# KiCad board artix-dc-scm.kicad_pcb (continued)
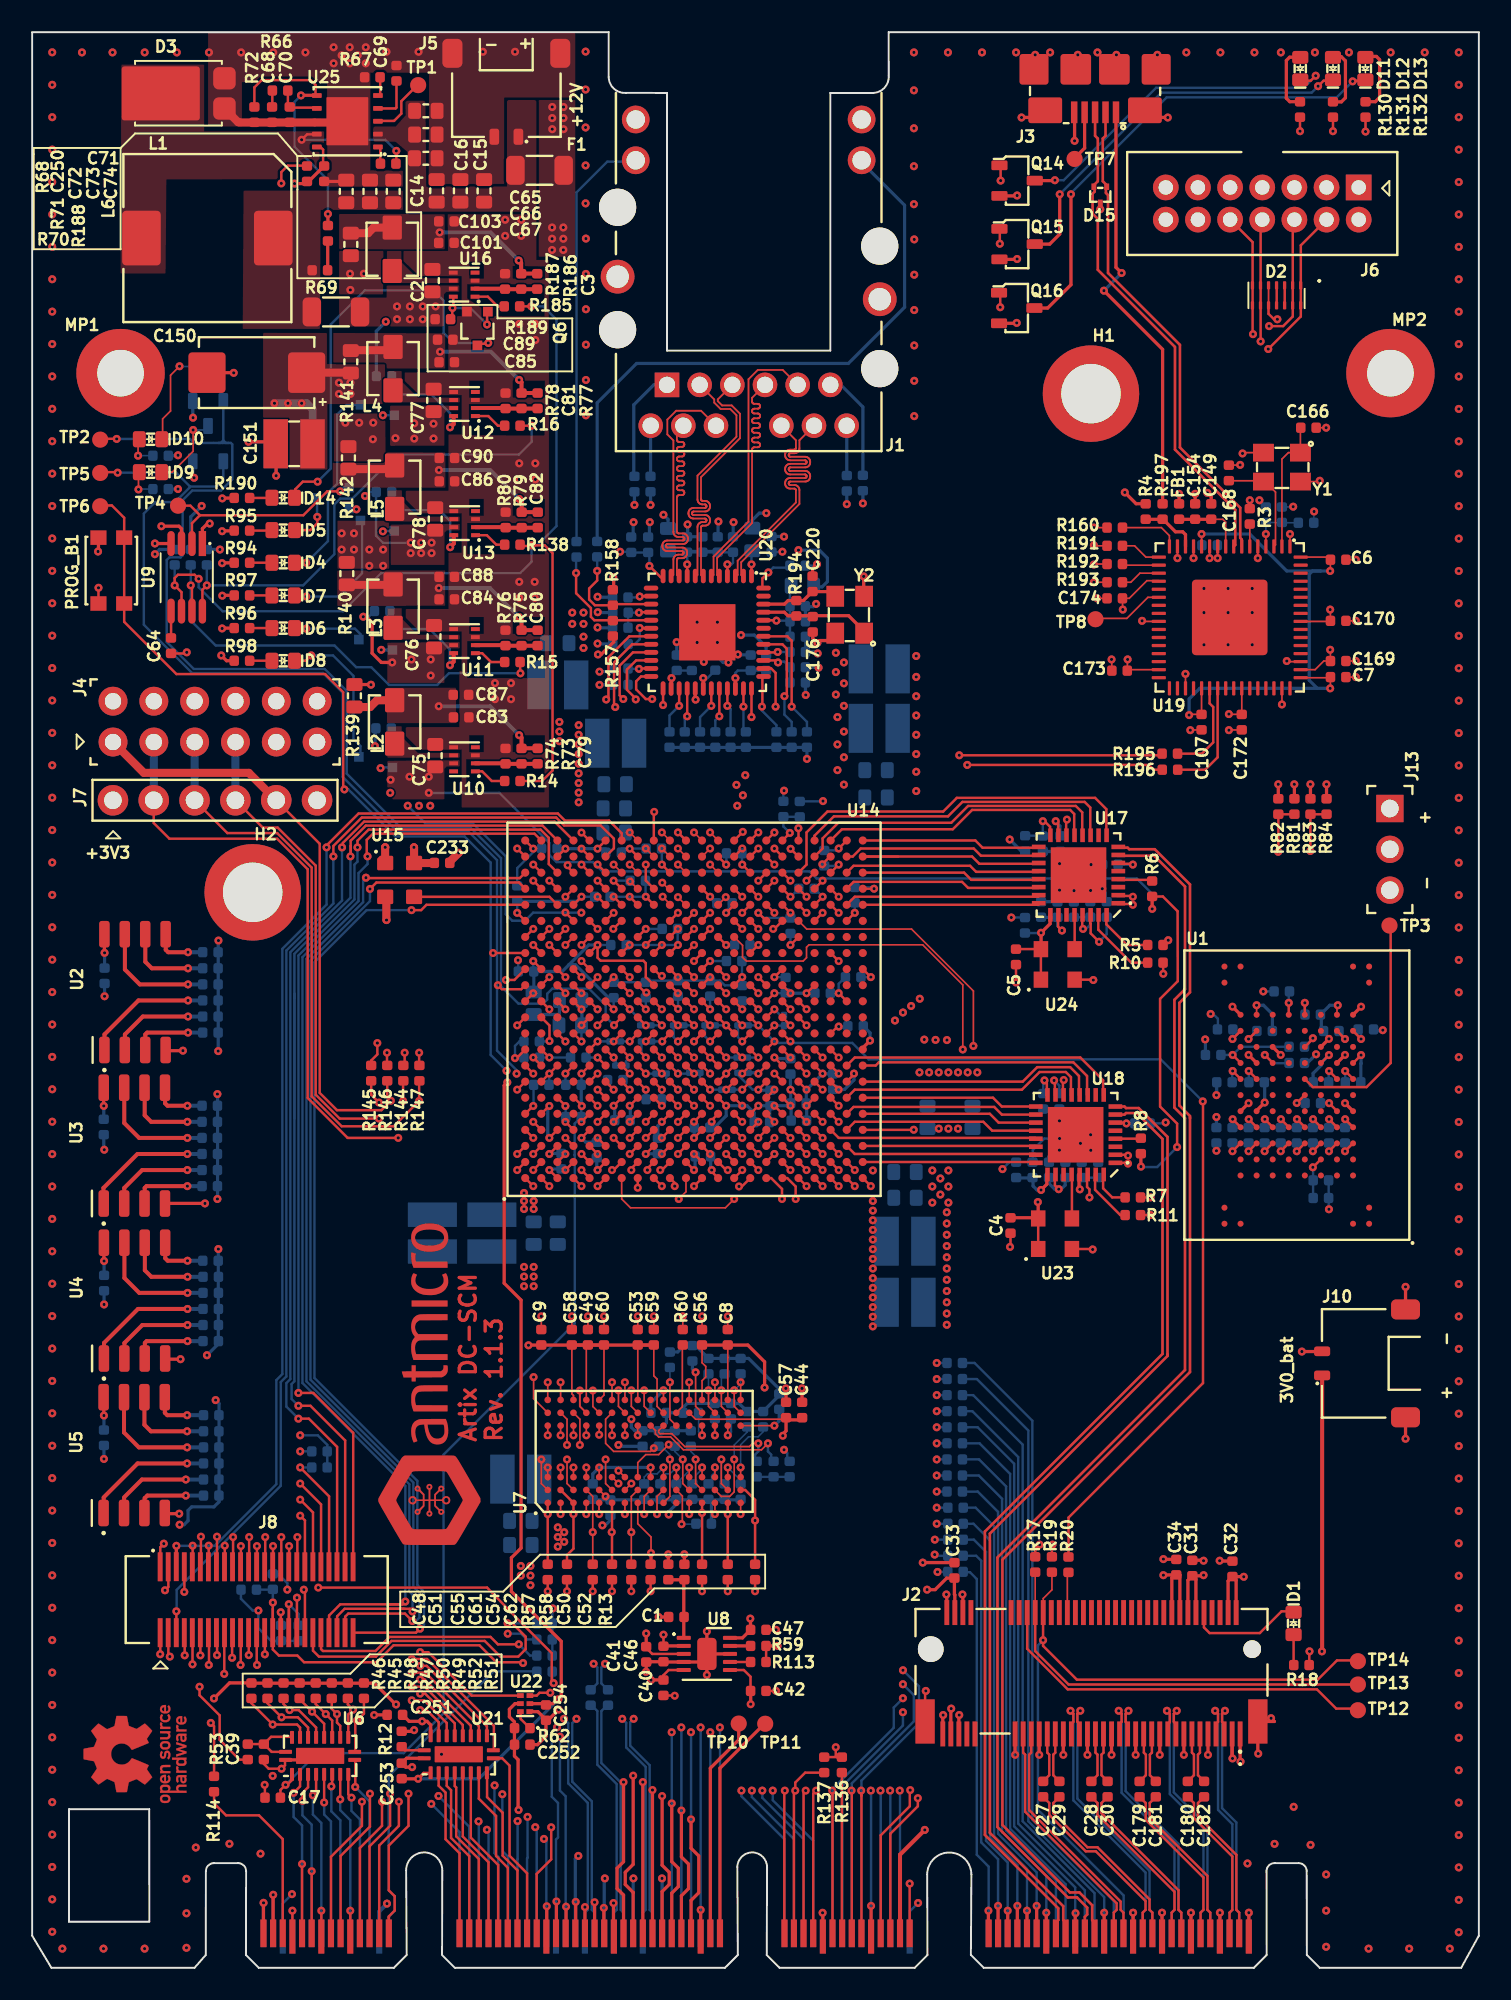
[diagram p0: board, top side]
## Placement (name value [footprint] x y rotation side) (continued)
J6  -  [PinHeader_2x7_P2mm_Drill0.9mm_878311420]  82.53 110.75 180 top
J7  -  [PinHeader_1x6_P2.54mm_Drill1.1mm]  5.03 72.63 0 top
J8  Plug_Molex_SlimStack_2x25_529910508  [Conn_Plug_Molex_SlimStack_2x25_529910508]  13.97 22.91 0 top
J9  -  [SFF-TA-1002-4C+]  44.79 1.95 0 top
J10  Molex_Pico-Lock_1x2_504050-0291  [Conn_Molex_Pico-Lock_1x2_504050-0291]  83.1 37.6 90 top
J13  -  [PinHeader_1x3_P2.54mm_Drill1.1mm]  84.47 72.11 270 top
L1  L_7u2_7.9A_WE-PDF-1064  [L_WE-PDF-1064]  10.9 107.6 0 top
L2  L_470n_6.7A_Vishay-IHLP-1212AE-11  [L_Vishay-IHLP-1212AE]  22.55 77.5 90 top
L3  L_470n_6.7A_Vishay-IHLP-1212AE-11  [L_Vishay-IHLP-1212AE]  22.45 84.7 90 top
L4  L_470n_6.7A_Vishay-IHLP-1212AE-11  [L_Vishay-IHLP-1212AE]  22.45 99.48 90 top
L5  L_470n_6.7A_Vishay-IHLP-1212AE-11  [L_Vishay-IHLP-1212AE]  22.55 92.1 90 top
L6  L_470n_6.7A_Vishay-IHLP-1212AE-11  [L_Vishay-IHLP-1212AE]  22.4 106.9 90 top
MP1  -  [MP_Pad5.5mm_Drill2.9mm]  5.5 99.2 0 top
MP2  -  [MP_Pad5.5mm_Drill2.9mm]  84.5 99.2 0 top
PROG_B1  -  [SW_KMR211NGLFS_SMD]  4.93 86.92 270 top
Q1  BSS138PW  [SC70-3]  21.48 97.23 180 bottom
Q2  BSS138PW  [SC70-3]  18.68 91.43 180 bottom
Q3  BSS138PW  [SC70-3]  21.37 82.63 180 bottom
Q4  BSS138PW  [SC70-3]  21.48 90.03 180 bottom
Q5  BSS138PW  [SC70-3]  21.37 75.33 180 bottom
Q6  BSS138PW  [SC70-3]  27.7 101.97 270 top
Q12  2N7002_SOT-23-3  [SOT-23-3]  10.94 94.81 90 bottom
Q13  2N7002_SOT-23-3  [SOT-23-3]  10.94 98.56 90 bottom
Q14  2N7002_SOT-23-3  [SOT-23-3]  61.27 111.17 0 top
Q15  2N7002_SOT-23-3  [SOT-23-3]  61.27 107.22 0 top
Q16  2N7002_SOT-23-3  [SOT-23-3]  61.25 103.25 0 top
R1  R_1k_0402  [R_0402_1005Metric]  46.73 72.09 270 bottom
R2  R_1k_0402  [R_0402_1005Metric]  47.76 72.08 90 bottom
R3  R_12k1_0402  [R_0402_1005Metric]  75.75 90.29 270 top
R4  R_10k_0402  [R_0402_1005Metric]  69.28 90.59 90 top
R5  R_12k_0402  [R_0402_1005Metric]  69.88 63.63 180 top
R6  R_1k_0402  [R_0402_1005Metric]  69.68 67.13 90 top
R7  R_12k_0402  [R_0402_1005Metric]  68.47 47.93 180 top
R8  R_1k_0402  [R_0402_1005Metric]  68.97 51.12 90 top
R9  R_22R_0402  [R_0402_1005Metric]  77.74 60.74 180 bottom
R10  R_0R_0402  [R_0402_1005Metric]  69.88 62.53 180 top
R11  R_0R_0402  [R_0402_1005Metric]  68.47 46.83 0 top
R12  R_200k_0402  [R_0402_1005Metric]  22.99 14.24 90 top
R13  R_4k7_0402  [R_0402_1005Metric]  44.97 24.62 270 top
R14  R_0R_0402  [R_0402_1005Metric]  29.87 73.83 0 top
R15  R_0R_0402  [R_0402_1005Metric]  29.87 81.23 0 top
R16  R_0R_0402  [R_0402_1005Metric]  29.87 95.93 0 top
R17  R_10k_0402  [R_0402_1005Metric]  62.4 25.09 270 top
R18  R_330R_0402  [R_0402_1005Metric]  78.97 18.84 0 top
R19  R_10k_0402  [R_0402_1005Metric]  63.44 25.09 270 top
R20  R_10k_0402  [R_0402_1005Metric]  64.47 25.08 270 top
R21  R_4k7_0402  [R_0402_1005Metric]  11.09 60.18 180 bottom
R22  R_4k7_0402  [R_0402_1005Metric]  11.05 50.62 180 bottom
R23  R_4k7_0402  [R_0402_1005Metric]  11.11 40.99 180 bottom
R24  R_4k7_0402  [R_0402_1005Metric]  11.14 31.38 180 bottom
R25  R_1k_0402  [R_0402_1005Metric]  11.09 62.18 180 bottom
R26  R_1k_0402  [R_0402_1005Metric]  11.05 52.63 180 bottom
R27  R_1k_0402  [R_0402_1005Metric]  11.11 42.99 180 bottom
R28  R_1k_0402  [R_0402_1005Metric]  11.14 33.38 180 bottom
R29  R_10k_0402  [R_0402_1005Metric]  11.09 63.18 0 bottom
R30  R_10k_0402  [R_0402_1005Metric]  11.05 53.63 0 bottom
R31  R_10k_0402  [R_0402_1005Metric]  11.09 43.99 0 bottom
R32  R_10k_0402  [R_0402_1005Metric]  11.14 34.38 0 bottom
R33  R_10k_0402  [R_0402_1005Metric]  11.09 58.18 0 bottom
R34  R_10k_0402  [R_0402_1005Metric]  11.05 48.62 0 bottom
R35  R_10k_0402  [R_0402_1005Metric]  11.11 38.99 0 bottom
R36  R_10k_0402  [R_0402_1005Metric]  11.14 29.38 0 bottom
R37  R_10k_0402  [R_0402_1005Metric]  11.09 61.18 0 bottom
R38  R_10k_0402  [R_0402_1005Metric]  11.05 51.63 0 bottom
R39  R_10k_0402  [R_0402_1005Metric]  11.11 41.99 0 bottom
R40  R_10k_0402  [R_0402_1005Metric]  11.14 32.38 0 bottom
R41  R_10k_0402  [R_0402_1005Metric]  11.09 59.18 0 bottom
R42  R_10k_0402  [R_0402_1005Metric]  11.05 49.62 0 bottom
R43  R_10k_0402  [R_0402_1005Metric]  11.11 39.99 0 bottom
R44  R_10k_0402  [R_0402_1005Metric]  11.14 30.38 0 bottom
R45  R_357k_0402  [R_0402_1005Metric]  14.64 17.24 270 top
R46  R_357k_0402  [R_0402_1005Metric]  13.64 17.24 270 top
R47  R_357k_0402  [R_0402_1005Metric]  16.64 17.24 270 top
R48  R_357k_0402  [R_0402_1005Metric]  15.64 17.24 270 top
R49  R_357k_0402  [R_0402_1005Metric]  18.64 17.24 270 top
R50  R_357k_0402  [R_0402_1005Metric]  17.64 17.24 270 top
R51  R_357k_0402  [R_0402_1005Metric]  20.64 17.24 270 top
R52  R_357k_0402  [R_0402_1005Metric]  19.64 17.24 270 top
R53  R_200k_0402  [R_0402_1005Metric]  13.41 13.44 90 top
R54  R_51R_0402  [R_0402_1005Metric]  34.87 29.62 270 bottom  (not fitted)
R55  R_51R_0402  [R_0402_1005Metric]  38.07 29.62 270 bottom  (not fitted)
R56  R_51R_0402  [R_0402_1005Metric]  38.98 32.93 90 bottom  (not fitted)
R57  R_10k_0402  [R_0402_1005Metric]  39.57 24.62 270 top
R58  R_10k_0402  [R_0402_1005Metric]  40.57 24.62 270 top
R59  R_10k_0402  [R_0402_1005Metric]  45.18 20.03 180 top
R60  R_240R_0402  [R_0402_1005Metric]  40.47 39.23 90 top
R61  R_10k_0402  [R_0402_1005Metric]  21.89 99 0 bottom
R62  R_200k_0402  [R_0402_1005Metric]  30.49 14.91 180 top
R63  R_100k_0402  [R_0402_1005Metric]  10.87 87.74 270 bottom
R64  R_100k_0402  [R_0402_1005Metric]  9.87 87.74 270 bottom
R65  R_100k_0402  [R_0402_1005Metric]  8.87 87.74 270 bottom
R66  R_16k9_0402  [R_0402_1005Metric]  15.43 116.78 180 top
R67  R_243k_0402  [R_0402_1005Metric]  21.16 117.6 0 top
R68  R_100k_0402  [R_0402_1005Metric]  17.1 111.6 270 top
R69  R_0R_1206  [R_1206_3216Metric]  18.9 103 180 top
R70  R_49R9_0402  [R_0402_1005Metric]  17.9 105.6 0 top
R71  R_53k6_0402  [R_0402_1005Metric]  18.4 107.9 90 top
R72  R_10k2_0402  [R_0402_1005Metric]  13.82 115.28 270 top
R73  R_453k_0402  [R_0402_1005Metric]  30.45 75.38 270 top
R74  R_100k_0402  [R_0402_1005Metric]  29.45 75.37 90 top
R75  R_200k_0402  [R_0402_1005Metric]  30.45 82.73 90 top
R76  R_100k_0402  [R_0402_1005Metric]  29.45 82.73 90 top
R77  R_66k5_0402  [R_0402_1005Metric]  30.45 97.48 270 top
R78  R_100k_0402  [R_0402_1005Metric]  29.45 97.47 90 top
R79  R_124k_0402  [R_0402_1005Metric]  30.46 90.07 270 top
R80  R_100k_0402  [R_0402_1005Metric]  29.46 90.07 90 top
R81  R_0R_0402  [R_0402_1005Metric]  78.53 72.24 270 top
R82  R_0R_0402  [R_0402_1005Metric]  77.53 72.24 270 top  (not fitted)
R83  R_0R_0402  [R_0402_1005Metric]  79.53 72.24 270 top  (not fitted)
R84  R_0R_0402  [R_0402_1005Metric]  80.53 72.24 270 top
R85  R_4k7_0402  [R_0402_1005Metric]  47.18 56.08 90 bottom
R86  R_100R_0402  [R_0402_1005Metric]  13.48 23.53 0 bottom
R87  R_100R_0402  [R_0402_1005Metric]  14.98 24.03 90 bottom
R88  R_200R_0402  [R_0402_1005Metric]  31.87 20.43 180 bottom
R89  R_4k7_0402  [R_0402_1005Metric]  31.87 21.43 180 bottom
R90  R_4k7_0402  [R_0402_1005Metric]  31.87 19.43 180 bottom
R91  R_10k_0402  [R_0402_1005Metric]  21.77 84.4 0 bottom
R92  R_10k_0402  [R_0402_1005Metric]  21.89 91.8 0 bottom
R93  R_10k_0402  [R_0402_1005Metric]  21.86 77.1 0 bottom
R94  R_1k_0402  [R_0402_1005Metric]  13.05 87.4 180 top
R95  R_1k_0402  [R_0402_1005Metric]  13.05 89.4 180 top
R96  R_1k_0402  [R_0402_1005Metric]  13.05 83.34 180 top
R97  R_1k_0402  [R_0402_1005Metric]  13.05 85.37 180 top
R98  R_1k_0402  [R_0402_1005Metric]  13.05 81.31 180 top
R99  R_51R_0402  [R_0402_1005Metric]  46.12 31.03 90 bottom  (not fitted)
R100  R_51R_0402  [R_0402_1005Metric]  45.07 31.03 90 bottom  (not fitted)
R101  R_0R_0402  [R_0402_1005Metric]  57.44 24.64 0 bottom
R102  R_0R_0402  [R_0402_1005Metric]  57.45 27.62 0 bottom
R103  R_0R_0402  [R_0402_1005Metric]  57.45 28.62 0 bottom
R104  R_0R_0402  [R_0402_1005Metric]  57.4 29.62 0 bottom
R105  R_0R_0402  [R_0402_1005Metric]  57.4 30.62 0 bottom
R106  R_0R_0402  [R_0402_1005Metric]  57.4 31.62 0 bottom
R107  R_0R_0402  [R_0402_1005Metric]  57.4 32.62 0 bottom
R108  R_0R_0402  [R_0402_1005Metric]  57.4 33.62 180 bottom
R109  R_0R_0402  [R_0402_1005Metric]  57.4 34.62 0 bottom
R110  R_0R_0402  [R_0402_1005Metric]  57.4 35.62 180 bottom
R111  R_0R_0402  [R_0402_1005Metric]  57.4 36.62 180 bottom
R112  R_0R_0402  [R_0402_1005Metric]  57.4 37.62 0 bottom
R113  R_10k_0402  [R_0402_1005Metric]  45.18 19.03 0 top
R114  R_0R_0402  [R_0402_1005Metric]  11.32 11.44 270 top
R115  R_0R_0402  [R_0402_1005Metric]  31.87 18.43 180 bottom
R116  R_0R_0402  [R_0402_1005Metric]  57.44 26.64 0 bottom
R117  R_47k_0402  [R_0402_1005Metric]  78.67 57.3 0 bottom
R118  R_47k_0402  [R_0402_1005Metric]  79.66 59.3 180 bottom
R119  R_47k_0402  [R_0402_1005Metric]  82.17 55.09 180 bottom
R120  R_47k_0402  [R_0402_1005Metric]  82.97 58.37 180 bottom
R121  R_47k_0402  [R_0402_1005Metric]  80.17 55.09 0 bottom
R122  R_47k_0402  [R_0402_1005Metric]  80.82 58.27 0 bottom
R123  R_47k_0402  [R_0402_1005Metric]  76.67 58.28 180 bottom
R124  R_47k_0402  [R_0402_1005Metric]  76.17 55.09 180 bottom
R125  R_47k_0402  [R_0402_1005Metric]  74.22 58.37 0 bottom
R126  R_47k_0402  [R_0402_1005Metric]  74.17 55.09 0 bottom
R127  R_10k2_0402  [R_0402_1005Metric]  42.5 76.4 270 bottom
R128  R_1k_0402  [R_0402_1005Metric]  7.99 91.99 0 bottom
R129  R_1k_0402  [R_0402_1005Metric]  7.99 94.06 0 bottom
R130  R_1k_0402  [R_0402_1005Metric]  78.88 115.6 270 top
R131  R_1k_0402  [R_0402_1005Metric]  80.93 115.6 270 top
R132  R_1k_0402  [R_0402_1005Metric]  82.95 115.6 270 top
R133  R_2k2_0402  [R_0402_1005Metric]  17.87 32.12 0 bottom
R134  R_4k7_0402  [R_0402_1005Metric]  16.57 20.83 90 bottom
R135  R_4k7_0402  [R_0402_1005Metric]  15.48 20.83 90 bottom
R136  R_0R_0402  [R_0402_1005Metric]  50.37 12.62 90 top
R137  R_0R_0402  [R_0402_1005Metric]  49.27 12.62 270 top
R138  R_0R_0402  [R_0402_1005Metric]  29.87 88.53 0 top
R139  R_0R_0603  [R_0603_1608Metric]  20.05 79.13 270 top
R140  R_0R_0603  [R_0603_1608Metric]  19.57 86.73 270 top
R141  R_0R_0603  [R_0603_1608Metric]  19.82 99.9 90 top
R142  R_0R_0603  [R_0603_1608Metric]  19.68 93.93 270 top
R143  R_100R_0402  [R_0402_1005Metric]  33.98 56.63 180 bottom
R144  R_0R_0402  [R_0402_1005Metric]  23.09 55.66 270 top
R145  R_0R_0402  [R_0402_1005Metric]  21.09 55.66 270 top
R146  R_0R_0402  [R_0402_1005Metric]  22.09 55.66 270 top
R147  R_0R_0402  [R_0402_1005Metric]  24.09 55.66 270 top
R148  R_10k2_0402  [R_0402_1005Metric]  41.55 76.4 270 bottom
R149  R_10k2_0402  [R_0402_1005Metric]  40.6 76.4 270 bottom
R150  R_10k2_0402  [R_0402_1005Metric]  39.65 76.4 270 bottom
R151  R_10k2_0402  [R_0402_1005Metric]  43.45 76.4 270 bottom
R152  R_10k2_0402  [R_0402_1005Metric]  44.4 76.4 270 bottom
R153  R_10k2_0402  [R_0402_1005Metric]  47.25 76.4 270 bottom
R154  R_0R_0402  [R_0402_1005Metric]  57.44 25.64 0 bottom
R155  R_4k7_0402  [R_0402_1005Metric]  46.3 76.4 270 bottom
R156  R_10k2_0402  [R_0402_1005Metric]  48.2 76.4 270 bottom
R157  R_10k2_0402  [R_0402_1005Metric]  36.12 83.33 270 top
R158  R_10k2_0402  [R_0402_1005Metric]  36.12 85.24 90 top
R159  R_12k1_0402  [R_0402_1005Metric]  47.62 87.22 180 bottom
R160  R_22R_0402  [R_0402_1005Metric]  67.35 89.59 180 top
R161  R_0R_0402  [R_0402_1005Metric]  17.87 31.12 180 bottom
R162  R_51R_0402  [R_0402_1005Metric]  39.07 29.62 270 bottom  (not fitted)
R163  R_51R_0402  [R_0402_1005Metric]  39.98 32.93 90 bottom  (not fitted)
R164  R_51R_0402  [R_0402_1005Metric]  40.07 29.62 270 bottom  (not fitted)
R165  R_220R_0402  [R_0402_1005Metric]  33.87 88.24 270 bottom
R166  R_220R_0402  [R_0402_1005Metric]  35.15 88.25 270 bottom
R167  R_51R_0402  [R_0402_1005Metric]  40.98 32.93 90 bottom  (not fitted)
R168  R_51R_0402  [R_0402_1005Metric]  41.07 29.62 270 bottom  (not fitted)
R169  R_51R_0402  [R_0402_1005Metric]  42.07 29.62 270 bottom  (not fitted)
R170  R_51R_0402  [R_0402_1005Metric]  43.07 29.62 270 bottom  (not fitted)
R171  R_51R_0402  [R_0402_1005Metric]  44.07 29.62 270 bottom  (not fitted)
R172  R_51R_0402  [R_0402_1005Metric]  44.48 34.12 90 bottom  (not fitted)
R173  R_51R_0402  [R_0402_1005Metric]  45.48 34.12 90 bottom  (not fitted)
R174  R_51R_0402  [R_0402_1005Metric]  40.98 34.53 180 bottom  (not fitted)
R175  R_51R_0402  [R_0402_1005Metric]  42.48 34.62 90 bottom  (not fitted)
R176  R_51R_0402  [R_0402_1005Metric]  43.48 34.62 90 bottom  (not fitted)
R177  R_51R_0402  [R_0402_1005Metric]  46.48 35.23 90 bottom  (not fitted)
R178  R_51R_0402  [R_0402_1005Metric]  42.07 37.43 90 bottom  (not fitted)
R179  R_51R_0402  [R_0402_1005Metric]  43.07 37.43 90 bottom  (not fitted)
R180  R_51R_0402  [R_0402_1005Metric]  44.07 37.43 90 bottom  (not fitted)
R181  R_51R_0402  [R_0402_1005Metric]  41.07 38.23 90 bottom  (not fitted)
R182  R_51R_0402  [R_0402_1005Metric]  38.98 34.53 0 bottom  (not fitted)
R183  R_51R_0402  [R_0402_1005Metric]  39.68 37.83 90 bottom  (not fitted)
R184  R_51R_0402  [R_0402_1005Metric]  41.77 27.62 0 bottom  (not fitted)
R185  R_0R_0402  [R_0402_1005Metric]  29.85 103.35 0 top
R186  R_100k_0402  [R_0402_1005Metric]  30.43 104.9 270 top
R187  R_100k_0402  [R_0402_1005Metric]  29.42 104.9 90 top
R188  R_0R_0603  [R_0603_1608Metric]  19.82 107.2 90 top
R189  R_10k_0402  [R_0402_1005Metric]  25.55 102.55 0 top
R190  R_1k_0402  [R_0402_1005Metric]  13.05 91.43 180 top
R191  R_22R_0402  [R_0402_1005Metric]  67.35 88.45 180 top
R192  R_22R_0402  [R_0402_1005Metric]  67.35 87.32 180 top
R193  R_22R_0402  [R_0402_1005Metric]  67.35 86.19 180 top
R194  R_1M8_0402  [R_0402_1005Metric]  47.54 84.57 90 top
R195  R_22R_0402  [R_0402_1005Metric]  70.78 75.53 180 top
R196  R_22R_0402  [R_0402_1005Metric]  70.78 74.53 180 top
R197  R_4k7_0402  [R_0402_1005Metric]  70.33 90.59 90 top
REF**  LOGO  [oshw-logo]  6.4 13.3 90 top
REF**#2  -  [antmicro-logo_scaled_20mm]  24.9 36.3 90 top
TP1  TP_1mm_SMD  [TP_SMD_1mm]  24.01 117.11 0 top
TP2  TP_1mm_SMD  [TP_SMD_1mm]  4.23 95.06 0 top
TP3  TP_1mm_SMD  [TP_SMD_1mm]  84.44 64.83 0 top
TP4  TP_1mm_SMD  [TP_SMD_1mm]  9.07 90.95 270 top
TP5  TP_1mm_SMD  [TP_SMD_1mm]  4.23 92.99 0 top
TP6  TP_1mm_SMD  [TP_SMD_1mm]  4.23 90.92 0 top
TP7  TP_1mm_SMD  [TP_SMD_1mm]  64.85 112.52 0 top
TP8  TP_1mm_SMD  [TP_SMD_1mm]  66.15 83.89 0 top
TP10  TP_1mm_SMD  [TP_SMD_1mm]  43.96 15.19 0 top
TP11  TP_1mm_SMD  [TP_SMD_1mm]  45.6 15.18 0 top
TP12  TP_1mm_SMD  [TP_SMD_1mm]  82.47 16.03 0 top
TP13  TP_1mm_SMD  [TP_SMD_1mm]  82.47 17.62 0 top
TP14  TP_1mm_SMD  [TP_SMD_1mm]  82.47 19.07 0 top
U1  MTFC16GAPALNA-AIT  [BGA-170-100_18x14mm_Layout17x10_P1mm]  78.67 54.29 180 top
U2  W25Q32JW_SOIC-8  [SOIC-8_5.3x5.3x2mm_P1.27mm]  6.4 60.7 90 top
U3  W25Q32JW_SOIC-8  [SOIC-8_5.3x5.3x2mm_P1.27mm]  6.36 51.15 90 top
U4  W25Q32JW_SOIC-8  [SOIC-8_5.3x5.3x2mm_P1.27mm]  6.37 41.51 90 top
U5  W25Q32JW_SOIC-8  [SOIC-8_5.3x5.3x2mm_P1.27mm]  6.35 31.9 90 top
U6  NVT2008BQ,115  [VQFN-20_1EP_4.5x2.5mm_P0.5mm]  17.91 13.19 0 top
U7  AS4C256M16D3  [BGA-96-48_7.5x13.5mm_Layout9x16_P0.8mm]  38.07 32.12 90 top
U8  TPS51200DRCT  [VSON-10-1EP_3x3mm]  41.98 19.52 0 top
U9  LM3881  [VSSOP-8_3x3mm_P0.65mm]  9.62 86.5 270 top
U10  TPS62823DLCT  [QFN-8_2x1.5mm]  26.9 75.18 180 top
U11  TPS62823DLCT  [QFN-8_2x1.5mm]  26.9 82.53 180 top
U12  TPS62823DLCT  [QFN-8_2x1.5mm]  26.9 97.28 180 top
U13  TPS62823DLCT  [QFN-8_2x1.5mm]  26.9 89.87 180 top
U14  XC7A100T-FGG484  [BGA-484_23x23mm_Layout22x22_P1mm_FGG484]  41.18 59.63 90 top
U15  Oscillator_100MHz_AMJMEFB  [Oscillator_SMD_Abracon_AMJM_3.2x2.5mm]  22.84 67.68 0 top
U16  TPS62823DLCT  [QFN-8_2x1.5mm]  26.87 104.7 180 top
U17  USB3300-EZK-TR  [QFN-32-1EP_5x5mm]  65.07 67.93 180 top
U18  USB3300-EZK-TR  [QFN-32-1EP_5x5mm]  64.9 51.78 180 top
U19  FT4232H_QFN  [QFN-64-1EP_9x9mm_P0.5mm]  74.5 84 270 top
U20  KSZ9031RNXCA  [QFN-48-1EP_7x7x0.9mm_P0.5mm_EP3.5x3.5mm]  42 83.08 270 top
U21  LSF0108RKSR  [VQFN-20_1EP_4.5x2.5mm_P0.5mm]  26.54 13.29 0 top  (not fitted)
U22  LSF0101DRYR  [USON-6_1.45x1.0mm_P0.5mm_Texas_DRY6]  30.96 15.94 180 top
U23  Oscillator_24MHz_ASEMB  [Oscillator_SMD_Abracon_ASEMB_3.2x2.5mm]  63.63 45.67 90 top
U24  Oscillator_24MHz_ASEMB  [Oscillator_SMD_Abracon_ASEMB_3.2x2.5mm]  63.8 62.42 90 top
U25  TPS54561QDPRRQ1  [WSON-10-1EP_4x4mm_P0.8mm_EP2.6x3mm]  19.61 114.86 180 top
Y1  Resonator_12MHz_ABM8G  [Resonator_SMD_Abracon_ABM8G_3.2x2.5mm]  77.8 93.3 180 top
Y2  Resonator_25MHz_ABM8G  [Resonator_SMD_Abracon_ABM8G_3.2x2.5mm]  50.81 84.12 90 top

## Library data of the parts
C1 = -: Datasheet: https://www.murata.com/products/productdetail?partno=GRM1555C1H102JA01%23; Description: SMD Multilayer Ceramic Capacitor, 1000 pF, 50 V, 0402 [1005 Metric], ± 5%, C0G / NP0, GRM Series; Author: Antmicro; Dielectric: C0G; License: Apache-2.0; MPN: GRM1555C1H102JA01D; Manufacturer: Murata; Val: 1n; Voltage: 50V
C2 C75-C78 = -: Datasheet: https://www.murata.com/products/productdetail?partno=GRM188R61A106KE69%23; Description: SMD Multilayer Ceramic Capacitor, 10 µF, 10 V, 0603 [1608 Metric], ± 10%, X5R, GRM Series; Author: Antmicro; Dielectric: template_dielectric; License: Apache-2.0; MPN: GRM188R61A106KE69D; Manufacturer: Murata; Val: 10u
C3 C79-C82 = -: Datasheet: https://www.kemet.com/en/us/capacitors/product/C0402C121J5GACTU.html; Description: 120 pF ±2% 100V Ceramic Capacitor C0G, NP0 0402 (1005 Metric); Author: Antmicro; Dielectric: C0G; License: Apache-2.0; MPN: C0402C121J5GACTU; Manufacturer: KEMET; Val: 120p; Voltage: 100V
C4-C7 C10-C13 C18-C22 C24-C26 C107 C135 C139 C149 C169 C170 C172-C174 C203 C225-C228 C233 C248 C249 C251-C254 = -: Datasheet: https://www.murata.com/products/productdetail?partno=GRM155R61H104KE14%23; Description: SMD Multilayer Ceramic Capacitor, 0.1 µF, 50 V, 0402 [1005 Metric], ± 10%, X5R, GRM Series; Author: Antmicro; Dielectric: X5R; License: Apache-2.0; MPN: GRM155R61H104KE14D; Manufacturer: Murata; Val: 100n; Voltage: 50V
C8 C9 C35-C38 C49-C56 C58-C61 C109-C132 C140 C141 C143 C144 C148 C167 C197 C201 C202 C204 C205 C234-C240 C243 C244 = -: Datasheet: https://product.tdk.com/en/search/capacitor/ceramic/mlcc/info?part_no=C1005X5R1E474M050BB; Description: SMD Multilayer Ceramic Capacitor, 0.47 µF, 25 V, 0402 [1005 Metric], ± 20%, X5R, C; Author: Antmicro; License: Apache-2.0; MPN: C1005X5R1E474M050BB; Manufacturer: TDK; Val: 470n
C14-C16 = -: Datasheet: https://product.tdk.com/en/search/capacitor/ceramic/mlcc/info?part_no=C1608X5R1E106M080AC; Description: SMD Multilayer Ceramic Capacitor, 10 µF, 25 V, 0603 [1608 Metric], ± 20%, X5R, C; Author: Antmicro; License: Apache-2.0; MPN: C1608X5R1E106M080AC; Manufacturer: TDK; Val: 10u; Voltage: 25V
C17 C27-C30 C39 C42 C44 C46 C57 C62 C63 C71 C134 C136 C179-C182 C186 C187 C189 C192-C195 C223 C224 C229-C232 C241 = -: Datasheet: https://www.passivecomponent.com/wp-content/uploads/datasheet/WTC_MLCC_General_Purpose.pdf; Description: SMT Multilayer Ceramic Capacitor, 0.1 µF, 6.3 V, 0402 [1005 Metric], ± 10%, X5R, Walsin MLCC; Author: Antmicro; License: Apache-2.0; MPN: 0402X104K6R3CT; Manufacturer: Walsin; Public: False; Val: 100n
C23 C48 C154 C162 C177 C188 C196 C198-C200 C206 C222 C245-C247 = -: Datasheet: https://www.murata.com/products/productdetail?partno=GRM155R61A475MEAA%23; Description: SMD Multilayer Ceramic Capacitor, 4.7 µF, 10 V, 0402 [1005 Metric], ± 20%, X5R, GRM Series; Author: Antmicro; License: Apache-2.0; MPN: GRM155R61A475MEAAD; Manufacturer: Murata; Val: 4u7
C31-C34 C40 C41 C43 C47 C83-C90 C101 C103 C155 C250 = -: Datasheet: https://www.yageo.com/en/Chart/Download/pdf/CC0402MRX5R5BB106; Description: SMD Multilayer Ceramic Capacitor, 10 µF, 6.3 V, 0402 [1005 Metric], ± 20%, X5R, CC Series; Author: Antmicro; License: Apache-2.0; MPN: CC0402MRX5R5BB106; Manufacturer: YAGEO; Val: 10u
C45 C97-C100 C102 C104-C106 C108 C137 C156 C158 C160 C164 C190 C191 = -: Datasheet: https://product.tdk.com/en/search/capacitor/ceramic/mlcc/info?part_no=C1608X5R1V475M080AC; Description: SMD Multilayer Ceramic Capacitor, 4.7 µF, 35 V, 0603 [1608 Metric], ± 20%, X5R, C; Author: Antmicro; License: Apache-2.0; MPN: C1608X5R1V475M080AC; Manufacturer: TDK; Val: 4u7
C64 C69 C207-C219 = -: Datasheet: https://www.murata.com/products/productdetail?partno=GRM155R71H103KA88%23; Description: SMD Multilayer Ceramic Capacitor, 10000 pF, 50 V, 0402 [1005 Metric], ± 10%, X7R, GRM Series; Author: Antmicro; Dielectric: X7R; License: Apache-2.0; MPN: GRM155R71H103KA88D; Manufacturer: Murata; Val: 10n; Voltage: 50V
C65-C67 = -: Datasheet: https://www.murata.com/products/productdetail?partno=GRM188R61E225KA12%23; Description: SMD Multilayer Ceramic Capacitor, 2.2 µF, 25 V, 0603 [1608 Metric], ± 10%, X5R, GRM Series; Author: Antmicro; License: Apache-2.0; MPN: GRM188R61E225KA12D; Manufacturer: Murata; Public: False; Val: 2u2
C68 = -: Datasheet: https://product.tdk.com/en/search/capacitor/ceramic/mlcc/info?part_no=CGA2B3X7S2A472K050BB; Description: SMD Multilayer Ceramic Capacitor, 4700 pF, 100 V, 0402 [1005 Metric], ± 10%, X7S, CGA; Author: Antmicro; License: Apache-2.0; MPN: CGA2B3X7S2A472K050BB; Manufacturer: TDK; Val: 4n7
C70 = -: Datasheet: https://www.kemet.com/en/us/capacitors/product/C0402C470J5GACTU.html; Description: SMD Multilayer Ceramic Capacitor, 47 pF, 50 V, 0402 [1005 Metric], ± 5%, C0G / NP0, C Series KEMET; Author: Antmicro; Dielectric: C0G; License: Apache-2.0; MPN: C0402C470J5GACTU; Manufacturer: KEMET; Val: 47p
C72-C74 = -: Datasheet: https://www.murata.com/products/productdetail?partno=GRM188R60J476ME15%23; Description: SMD Multilayer Ceramic Capacitor, 47 µF, 6.3 V, 0603 [1608 Metric], ± 20%, X5R, GRM Series; Author: Antmicro; License: Apache-2.0; MPN: GRM188R60J476ME15D; Manufacturer: Murata; Val: 47u
C91-C96 C133 C147 C178 = -: Datasheet: https://www.kemet.com/en/us/capacitors/product/C1210C476K8RACTU.html; Description: SMD Multilayer Ceramic Capacitor, 47 µF, 10 V, 1210 [3225 Metric], ± 10%, X7R, C Series KEMET; Author: Antmicro; License: Apache-2.0; MPN: C1210C476K8RACTU; Manufacturer: KEMET; Public: False; Val: 47u
C138 C142 C146 C152 C153 C157 C159 C161 C163 C165 C171 C175 C242 = -: Datasheet: https://product.tdk.com/en/search/capacitor/ceramic/mlcc/info?part_no=C0603X5R1A474M030BC; Description: SMD Multilayer Ceramic Capacitor, 0.47 µF, 10 V, 0201 [0603 Metric], ± 20%, X5R, C; Author: Antmicro; License: Apache-2.0; MPN: C0603X5R1A474M030BC; Manufacturer: TDK; Public: False; Val: 470n
C145 C151 = -: Datasheet: https://product.samsungsem.com/mlcc/CL32A107MQVNNN.do; Description: SMD Multilayer Ceramic Capacitor, 100 µF, 6.3 V, 1210 [3225 Metric], ± 20%, X5R, CL; Author: Antmicro; License: Apache-2.0; MPN: CL32A107MQVNNNE; Manufacturer: Samsung Electro-Mechanics; Public: False; Val: 100u
C150 = -: Datasheet: https://www.kemet.com/en/us/capacitors/product/T520D337M006ATE045.html; Description: Tantalum Polymer Capacitor, KO-CAP®, 330 µF, ± 20%, 6.3 V, D, 0.045 ohm, 2917 [7343 Metric]; Author: Antmicro; Dielectric: template_dielectric; License: Apache-2.0; MPN: T520D337M006ATE045; Manufacturer: KEMET; Val: 330u; Voltage: 6.3V
C166 C168 = -: Datasheet: https://product.samsungsem.com/mlcc/CL05C180JB51PN.do; Description: SMD Multilayer Ceramic Capacitor, 18 pF, 50 V, 0402 [1005 Metric], ± 5%, C0G / NP0, MC; Author: Antmicro; License: Apache-2.0; MPN: CL05C180JB51PNC; Manufacturer: Samsung Electro-Mechanics; Val: 18p
C176 C220 = -: Datasheet: https://www.yageo.com/en/Chart/Download/pdf/CC0402JRNPO9BN220; Description: SMD Multilayer Ceramic Capacitor, 22 pF, 50 V, 0402 [1005 Metric], ± 5%, C0G / NP0, CC Series; Author: Antmicro; License: Apache-2.0; MPN: CC0402JRNPO9BN220; Manufacturer: YAGEO; Val: 22p
C183-C185 = -: Datasheet: https://product.tdk.com/en/search/capacitor/ceramic/mlcc/info?part_no=C1005X5R1A225K050BC; Description: SMD Multilayer Ceramic Capacitor, 2.2 µF, 10 V, 0402 [1005 Metric], ± 10%, X5R, C; Author: Antmicro; License: Apache-2.0; MPN: C1005X5R1A225K050BC; Manufacturer: TDK; Val: 2u2
D1 = -: Datasheet: http://www.kingbright.com/attachments/file/psearch//000/00/00/KP-1608CGCK(Ver.23B).pdf; Description: LED, Green, SMD, 0603, 20 mA, 2.1 V, 570 nm; Author: Antmicro; Color: Green; License: Apache-2.0; MPN: KP-1608CGCK; Manufacturer: Kingbright
D2 = -: Datasheet: https://www.littelfuse.com/media?resourcetype=datasheets&itemid=c9002a97-9994-449b-b722-f45ab5538c7f&filename=littelfuse-tvs-diode-array-sp3011-datasheet; Description: TVS diode array, 8 kV, USON-14, 6 V, 0.4 pF; Author: Antmicro; License: Apache-2.0; Manufacturer: Littelfuse
D3 = -: Datasheet: https://www.diodes.com/assets/Datasheets/ds30470.pdf; Description: Schottky Rectifier, POWERDI®, 60 V, 7 A, Single, PowerDI 5, 2 Pins, 620 mV; Author: Antmicro; License: Apache-2.0; MPN: PDS760-13; Manufacturer: Diodes Incorporated
D4-D14 = -: Datasheet: https://look.ams-osram.com/m/19ee86b3ae0ee95b/original/LG-L29K.pdf; Description: LED, Green, SMD, 0603, 20 mA, 1.7 V, 570 nm; Author: Antmicro; Color: Green; License: Apache-2.0; MPN: LG L29K-G2J1-24-Z; Manufacturer: OSRAM
D15 = -: Datasheet: https://www.ti.com/lit/ds/symlink/tpd2e009.pdf?ts=1597910439511&ref_url=https%253A%252F%252Fwww.google.com%252F; Description: TVS diode array, 8 kV, SOT-723, 5.5 V, 0.9 pF; Author: Antmicro; License: Apache-2.0; MPN: TPD2E009DRTR; Manufacturer: Texas Instruments
F1 = -: Datasheet: https://www.littelfuse.com/~/media/electronics/datasheets/fuses/littelfuse_fuse_466_datasheet.pdf.pdf; Description: Fuse, Surface Mount, 3 A, Very Fast Acting, 32 V, 32 V, 1206 (3216 Metric), 466; Author: Antmicro; License: Apache-2.0; MPN: 0466003.NR; Manufacturer: Littelfuse
FB1 FB2 = -: Datasheet: https://www.murata.com/en-us/products/productdata/8796740059166/ENFA0018.pdf; Description: Ferrite Bead, 0402 [1005 Metric], 600 ohm, 300 mA, BLM15AG_SN, 0.6 ohm, ± 25%, General use; Author: Antmicro; License: Apache-2.0; MPN: BLM15AG601SN1D; Manufacturer: Murata; Val: 600Z/0.3A
FB4-FB6 = -: Datasheet: https://www.murata.com/en-us/products/productdata/8796738650142/ENFA0003.pdf; Description: Ferrite Bead, 0603 [1608 Metric], 120 ohm, 2 A, BLM18P, 0.05 ohm, ± 25%, DC power line; Author: Antmicro; License: Apache-2.0; MPN: BLM18PG121SN1D; Manufacturer: Murata; Val: 120Z/2A
H1 = -: Datasheet: https://www.we-online.com/components/products/datasheet/9774025151R.pdf; Description: Spacer, SMT, Non Stop, Steel, Swage Round, 5.1 mm x 2.5 mm, M2.5 Thread, WA-SMSI Series; Author: Antmicro; License: Apache-2.0; MPN: 9774025151R; Manufacturer: Würth Elektronik
H2 = -: Datasheet: https://www.we-online.com/components/products/datasheet/9774040151R.pdf; Description: Round Standoff Threaded M2.5x0.45 Steel 0.157" (4.00mm); Author: Antmicro; License: Apache-2.0; MPN: 9774040151R; Manufacturer: Würth Elektronik
J1 = -: Datasheet: https://www.belfuse.com/resources/drawings/magneticsolutions/dr-mag-l834-1g1t-s7.pdf; Description: Modular connector with magnetics; Author: Antmicro; License: Apache-2.0; Manufacturer: Bel Fuse
J2 = -: Datasheet: https://www.te.com/commerce/DocumentDelivery/DDEController?Action=srchrtrv&DocNm=2199230&DocType=Customer+Drawing&DocLang=English; Description: Key M Card Edge Connector, 0, Dual Side, 67 Contacts, Surface Mount, Right Angle, Solder; Author: Antmicro; License: Apache-2.0; MPN: 1-2199230-6; Manufacturer: TE Connectivity; VSD_Class: M.2 Key M
J3 = -: Datasheet: http://www.amphenol-icc.com/media/wysiwyg/files/drawing/10118192.pdf; Description: USB - micro B USB 2.0 Receptacle Connector 5 Position Surface Mount, Right Angle; Author: Antmicro; License: Apache-2.0; MPN: 10118192-0001LF; Manufacturer: Amphenol; VSD_class: USB Micro
J4 = -: Datasheet: https://cdn.harwin.com/pdfs/M20-783.pdf; Description: PCB Receptacle, Board-to-Board, 2.54 mm, 2 Rows, 12 Contacts, Through Hole Mount, M20; Author: Antmicro; License: Apache-2.0; MPN: M20-7830642; Manufacturer: Harwin
J5 J10 = -: Datasheet: https://www.molex.com/en-us/products/part-detail-pdf/5040500291?display=pdf; Description: Connector Header Surface Mount, Right Angle 2 position 0.059" (1.50mm); Author: Antmicro; License: Apache-2.0; MPN: 504050-0291; Manufacturer: Molex
J6 = -: Datasheet: https://www.molex.com/en-us/products/part-detail-pdf/878311420?display=pdf; Description: 2.00mm Pitch, Milli-Grid PCB Header, Dual Row, Vertical, Through Hole, Shrouded, 14 Circuits, 0.38µm Gold (Au) Plating, with Center Polarization Slot, with Locking Window, without PCB Locator, Tube; Author: Antmicro; License: Apache-2.0; MPN: 878311420; Manufacturer: Molex
J7 = -: Datasheet: https://www.we-online.com/components/products/datasheet/61300611121.pdf; Description: Pin Header, Vertical, Board-to-Board, 2.54 mm, 1 Rows, 6 Contacts, Through Hole Straight, WR-PHD; Author: Antmicro; License: Apache-2.0; MPN: 61300611121; Manufacturer: Würth Elektronik
J8 = -: Datasheet: https://www.molex.com/en-us/products/part-detail/529910508?display=pdf; Description: Mezzanine Connector, Receptacle, 0.5mm, 2Rows, 50Contacts, Surface Mount, Phosphor Bronze; Author: Antmicro; License: Apache-2.0; MPN: 529910508; Manufacturer: Molex; Pitch : 0.5 mm
J9 = -: Datasheet: https://cdn.amphenol-icc.com/media/wysiwyg/files/documentation/sme005.pdf?__cf_chl_jschl_tk__=4604d1306574a1ee474ea914090d3e0c57e266a6-1606907014-0-AbkYBTCTl__kMBcY3BDmgKpfUy32FqitwN2Lniuy8W-uyv2Ev04Q-Q5Mr7srIz_Wnur0_9chB4CRbxKSYcEh7IvAJYsUgJ0PWIS5YdRqqHg567uaZciEX2hQP4ss5l6M4XdNrxEjJppHvyRV3ku89t-VmUSzhgCb8oJlyHpTxST4dEmKZNXfM53TM0tmGirdVbCRt1Byrx5pkz_uMvNABIOj7B2-eDGK52J3DWRD76zEyjdxY7Iz11gPiOY5i_QGIR3uOwkR5LBPNXe8zGqAf8--AKa7RqDbIriQRt90_32C4zIuHqbGa05BXS135E65ov80PbVcb4eSiutCqcJUAacUwu3eVnXVeIumfihJxuP8Rv7_n6saeG_2IuQpEiskzovLGKZM3667Y-rm-AL1NRXTamtvBxqTk0vyMvZ60FgJ; Description: PCB EDGE PCI connector; Author: Antmicro; License: Apache-2.0
J13 = -: Datasheet: https://katalog.we-online.de/em/datasheet/6130xx11121.pdf; Description: Pin Header, Vertical, Board-to-Board, 2.54 mm, 1 Rows, 3 Contacts, Through Hole Straight, WR-PHD; Author: Antmicro; License: Apache-2.0; MPN: 61300311121; Manufacturer: Würth Elektronik; VSD_class: IO Header
L1 = -: Datasheet: https://www.we-online.com/catalog/datasheet/7447798720.pdf; Description: Power Inductor (SMD), 7.2 µH, 7.9 A, Shielded, 6 A, WE-PDF; Author: Antmicro; IMax: 7.9 A; ISat: 6 A; License: Apache-2.0; MPN: 7447798720; Manufacturer: Würth Elektronik; Size: 10.2x10.2; Val: 7u2/7.9A
L2-L6 = -: Datasheet: https://www.vishay.com/docs/34300/ihlp-1212ae-11.pdf; Description: Power Inductor (SMT), 470 nH, 6.7 A, Shielded, 6.7 A; Author: Antmicro; IMax: 6.7 A; ISat: 6.7 A; License: Apache-2.0; MPN: IHLP1212AEERR47M11; Manufacturer: Vishay; Size: 3.0x3.0; Val: 470n/6.7A
MP1 MP2 = -: Description: PCB mounting point; Author: Antmicro; License: Apache-2.0
PROG_B1 = -: Datasheet: http://www.farnell.com/datasheets/2631211.pdf; Description: Tactile Switch, KMR 2 Series, Top Actuated, Surface Mount, Oval Button, 120 gf, 50mA at 32VDC; Author: Antmicro; License: Apache-2.0; MPN: KMR211NGLFS; Manufacturer: C&K
Q1-Q6 = -: Datasheet: https://assets.nexperia.com/documents/data-sheet/BSS138PW.pdf; Description: Power MOSFET, N Channel, 60 V, 320 mA, 0.9 ohm, SOT-323, Surface Mount; Author: Antmicro; License: Apache-2.0; Manufacturer: Nexperia
Q12-Q16 = -: Datasheet: https://www.onsemi.com/pub/Collateral/NDS7002A-D.PDF; Description: Power MOSFET, N Channel, 60 V, 115 mA, 1.2 ohm, SOT-23, Surface Mount; Author: Antmicro; License: Apache-2.0; MPN: 2N7002; Manufacturer: ON Semiconductor
R1 R2 R6 R8 R25-R28 R94-R98 R128-R132 R190 = -: Datasheet: https://www.bourns.com/docs/product-datasheets/cr.pdf; Description: SMD Chip Resistor, 1 kohm, ± 1%, 63 mW, 0402 [1005 Metric], Thick Film, General Purpose; Author: Antmicro; License: Apache-2.0; MPN: CR0402-FX-1001GLF; Manufacturer: Bourns; Tolerance: 1%; Val: 1k
